# Altium PCB TH8_Cryo_TC_Breakouts.PCBDOC (part 2 of 2)
Units mm, origin at the board's own origin, x right, y up, seen from the top; angles counter-clockwise.
Board outline 86.92 x 73.51 mm, 4 copper layers (TOP, G1, L2, BOT), stack 1.55 mm thick; 129 components, 120 nets, 618 pads, 94 vias.
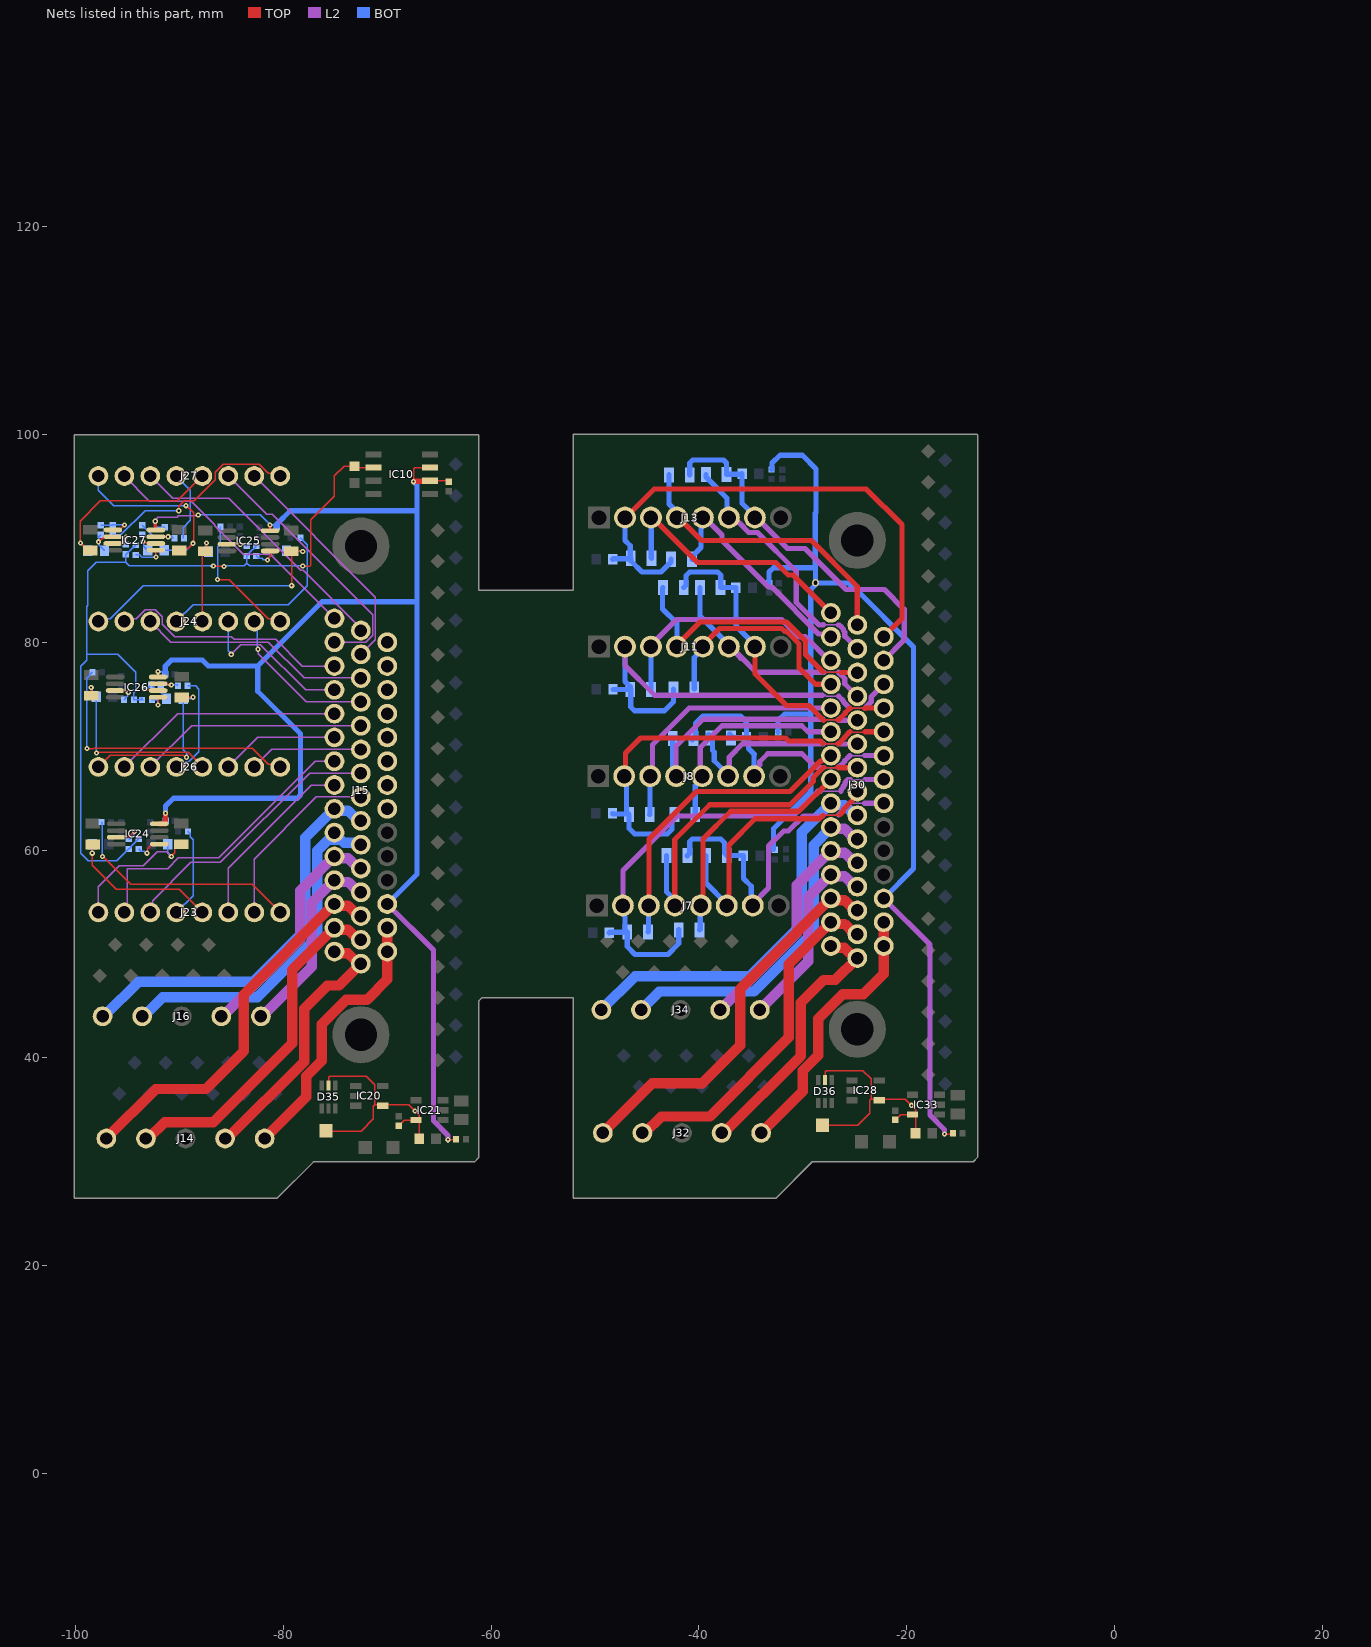
[diagram p4: the nets of this part, all layers, seen from the top]

## Via types
v1: diameter 0.5, hole 0.2, TOP to BOT, tented both sides, 89 vias
v2: diameter 0.7, hole 0.4, TOP to BOT, tented both sides, 5 vias

## Nets (pads, with @x,y where several pads share a name; then routed paths per layer and width w, separated by ;. In a path a pad name is that pad's centre, name@x,y a point inside that pad or via, vN(x,y) a via of type N, cw(c..) or ccw(c..) an arc to the next point about the centre after c; other vN are vias at no path point) (continued)
NetC150_1: C150.1 IC27.2 R207.2 | length 3.5
  TOP w0.127: v1(-97.786,89.666) -97.475,89.977 -97.357,89.977 -97.177,90.157 IC27.2@-96.415,90.157
  BOT w0.127: C150.1@-97.565,90.357 -97.786,90.135 v1(-97.786,89.666) -97.715,89.594 -97.715,89.345 -97.219,88.848 R207.2@-97.219,88.798
NetC150_2: C150.2 IC27.1 R203.1 | length 3.6
  TOP w0.127: IC27.1@-96.415,90.807 -95.76,90.807 -95.3,91.267 v1(-95.3,91.288)
  BOT w0.127: C150.2@-97.565,91.257 -96.435,91.257 R203.1@-96.415,91.277 -96.404,91.288 v1(-95.3,91.288)
NetC153_1: C153.1 IC26.6 R214.2 | length 4.3
  TOP w0.127: v1(-93.4,75.444) -93.355,75.399 -92.088,75.399 IC26.6@-92.044,75.354
  BOT w0.127: v1(-93.4,75.444) -93.342,75.501 -93.109,75.501 C153.1@-92.715,75.895 -92.152,75.332 -91.953,75.332 -91.249,74.629 R214.2@-91.249,74.579
NetC153_2: C153.2 IC26.7 R210.1 | length 3
  TOP w0.127: IC26.7@-92.044,76.004 -91.989,75.95 -90.834,75.95 v1(-90.78,75.895)
  BOT w0.127: C153.2@-91.815,75.895 v1(-90.78,75.895) -90.251,75.895 R210.1@-90.15,75.794
NetC154_1: C154.1 IC27.6 R215.2 | length 3.2
  TOP w0.127: -93.299,89.569 -92.327,89.569 IC27.6@-92.265,89.507
  BOT w0.127: C154.1@-93.565,90.357 -93.526,90.319 v1(-93.526,89.695) -93.526,89.594 -93.451,89.519 -93.451,89.243 R215.2@-93.065,88.857 -93.082,88.857 R215.2@-93.344,89.118
NetC154_2: C154.2 IC27.7 R211.1 | length 4.6
  TOP w0.127: IC27.7@-92.265,90.157 v1@-91.161,90.157
  BOT w0.127: C154.2@-93.565,91.257 -92.465,90.157 -91.161,90.157 -90.729,90.157 R211.1@-90.589,90.018
  other v1: -91.086,90.157
NetIC24_3: IC24.3 R184.2 | length 2.9
  TOP w0.127: IC24.3@-96.082,61.224 -94.884,61.224 v1(-94.336,61.773)
  BOT w0.127: R184.2@-94.865,61.044 -94.845,61.044 -94.407,61.483 -94.407,61.701 v1(-94.336,61.773)
NetIC24_5: IC24.5 R192.2 | length 2.7
  TOP w0.127: v1(-93.119,59.697) -93.047,59.769 -93.047,60.134 -92.607,60.574 IC24.5@-91.932,60.574
  BOT w0.127: R192.2@-93.934,60.104 -93.707,59.878 -93.4,59.878 -93.219,59.697 v1(-93.119,59.697)
NetIC25_3: IC25.3 R185.2 | length 2
  TOP w0.127: IC25.3@-85.423,89.438 -84.18,89.438 v1(-84.15,89.408)
  BOT w0.127: v1(-84.15,89.408) -83.68,89.408 R185.2@-83.515,89.243
NetIC25_5: IC25.5 R193.2 | length 2.2
  TOP w0.127: v1(-81.534,87.909) -81.534,88.01 -81.273,88.271 IC25.5@-81.273,88.788
  BOT w0.127: R193.2@-82.601,88.303 -82.374,88.077 -82.031,88.077 -81.915,87.96 -81.585,87.96 v1(-81.534,87.909)
NetIC26_3: IC26.3 R204.2 | length 2.2
  TOP w0.127: IC26.3@-96.194,75.354 -95.166,75.354 -94.971,75.159 v1(-94.92,75.159)
  BOT w0.127: R204.2@-95.335,74.467 -95.335,74.487 -94.991,74.831 -94.991,75.087 v1(-94.92,75.159)
NetIC26_5: IC26.5 R212.2 | length 1.8
  TOP w0.127: IC26.5@-92.126,74.622 IC26.5@-92.044,74.704 ; IC26.5@-92.125,74.622 -92.058,74.555 v1(-92.058,73.962)
  BOT w0.127: R212.2@-92.649,74.444 -92.173,74.444 -92.099,74.37 -92.099,74.003 v1(-92.058,73.962)
NetIC27_3: IC27.3 R205.2 | length 2.3
  TOP w0.127: IC27.3@-96.415,89.507 -95.755,89.507 -95.138,90.124 v1(-95.138,90.14)
  BOT w0.127: R205.2@-95.148,89.408 -95.138,89.419 v1(-95.138,90.14)
NetIC27_5: IC27.5 R213.2 | length 2.7
  TOP w0.127: v1(-92.265,88.217) IC27.5@-92.265,88.857
  BOT w0.127: R213.2@-94.209,88.405 -93.78,88.405 -93.705,88.33 -93.705,88.278 -93.594,88.166 -92.315,88.166 v1(-92.265,88.217)
NetJ23_1: J23.1 R198.1 R200.2 | length 14.1
  TOP w0.127: v1(-90.78,59.39) -90.444,59.726 -90.444,60.146 -90.032,60.557 R200.2@-89.807,60.557
  L2 w0.127: J23.1@-97.8,54 -97.8,56.454 -95.783,58.471 -93.474,58.471 -92.128,59.817 -91.207,59.817 v1(-90.78,59.39)
  BOT w0.127: R198.1@-91.132,60.574 -91.132,59.743 v1(-90.78,59.39)
NetJ23_4: J23.4 R190.2 | length 8.7
  BOT w0.127: J23.4@-90.3,54 -88.683,55.617 -88.683,61.011 -88.953,61.281 -88.953,61.563 R190.2@-89.179,61.789
NetJ23_5: J23.5 R186.1 R188.2 | length 15.4
  TOP w0.127: R188.2@-98.332,60.549 -98.393,60.489 v1(-98.393,59.697) -98.393,58.54 -96.063,56.21 -90.01,56.21 J23.5@-87.8,54
  BOT w0.127: v1(-98.393,59.697) -98.393,60.572 R186.1@-98.391,60.574
NetJ23_8: J23.8 R182.2 | length 22.7
  TOP w0.127: v1(-97.405,59.39) -94.707,56.693 -82.993,56.693 J23.8@-80.3,54
  BOT w0.127: R182.2@-97.522,62.699 -97.431,62.609 -97.431,59.417 v1(-97.405,59.39)
NetJ24_1: J24.1 R199.1 R201.2 | length 26.1
  TOP w0.127: R201.2@-79.248,88.763 R201.2@-79.233,88.748 ; v1(-79.197,85.446) -79.197,88.712 R201.2@-79.233,88.748 ; v1(-78.13,88.748) R201.2@-79.233,88.748
  BOT w0.127: J24.1@-97.8,82 -97.547,82.253 -96.659,82.253 -93.467,85.446 v1(-79.197,85.446) ; R199.1@-79.698,88.788 -79.658,88.748 v1(-78.13,88.748)
NetJ24_4: J24.4 R191.2 | length 18.9
  BOT w0.127: J24.4@-90.3,82 -88.683,83.617 -79.527,83.617 -77.69,85.454 -77.69,88.93 -77.699,88.939 -77.699,89.388 -78.359,90.048 R191.2@-78.359,90.068
NetJ24_5: J24.5 R187.1 R189.2 | length 8.6
  TOP w0.127: J24.5@-87.8,82 -87.8,88.495 R189.2@-87.533,88.763 -87.401,88.894 v1(-87.401,89.547)
  BOT w0.127: v1(-87.401,89.547) -87.401,88.9 R187.1@-87.198,88.697
NetJ24_8: J24.8 R183.2 | length 12.9
  TOP w0.127: v1(-86.335,86.03) -85.217,86.03 -81.44,82.253 -80.553,82.253 J24.8@-80.3,82
  BOT w0.127: v1(-86.335,86.03) -86.301,86.064 -86.301,89.214 -86.067,89.448 R183.2@-86.067,91.113
NetJ26_1: J26.1 R214.1 R216.2 | length 17
  TOP w0.127: J26.1@-97.8,68 -96.659,69.141 -89.612,69.141 -89.407,68.936 v1(-89.306,68.936) ; R216.2@-89.775,74.679 -89.75,74.704 v1(-88.683,74.704)
  BOT w0.127: v1(-89.306,68.936) -89.306,69.311 -89.649,69.654 R214.1@-89.649,74.579 -88.909,74.579 -88.784,74.704 v1(-88.683,74.704)
NetJ26_4: J26.4 R210.2 | length 10
  BOT w0.127: J26.4@-90.3,68 -89.82,68 -89.325,68.495 -89.124,68.495 -88.138,69.481 -88.138,75.495 -88.437,75.794 R210.2@-89.21,75.794
NetJ26_5: J26.5 R206.1 R208.2 | length 18.1
  TOP w0.127: R208.2@-98.494,74.854 v1(-98.494,75.646) ; v1(-97.968,69.342) -97.915,69.395 -89.142,69.395 -87.8,68.052 J26.5@-87.8,68
  BOT w0.127: v1(-98.494,75.646) -98.494,75.545 -98.393,75.444 -98.393,75.156 R206.1@-98.006,74.769 -98.006,69.457 -97.968,69.418 v1(-97.968,69.342)
NetJ26_8: J26.8 R202.2 | length 26.9
  TOP w0.127: v1(-98.908,69.774) -98.265,69.774 -98.256,69.782 -82.97,69.782 -81.44,68.253 -80.553,68.253 J26.8@-80.3,68
  BOT w0.127: v1(-98.908,69.774) -98.941,69.807 -98.941,76.541 -98.387,77.094 R202.2@-98.387,77.114
NetJ27_1: J27.1 R215.1 R217.2 | length 19.1
  TOP w0.127: R217.2@-90.018,88.832 -89.85,89 -89.202,89 -88.588,89.614 -88.629,89.655 -88.629,92.439 -89.332,93.142 v1(-89.383,93.142)
  BOT w0.127: J27.1@-97.8,96 -97.8,94.625 -96.317,93.142 v1(-89.383,93.142) ; R215.1@-91.465,88.857 -89.345,88.857 v1(-88.683,89.519)
NetJ27_4: J27.4 R211.2 | length 6.8
  BOT w0.127: J27.4@-90.3,96 -88.942,94.642 -88.942,91.728 -89.649,91.021 R211.2@-89.649,90.018
NetJ27_5: J27.5 R207.1 R209.2 | length 18
  TOP w0.127: R209.2@-98.602,88.832 -98.827,88.832 -99.466,89.471 -99.466,89.507 v1(-99.517,89.558) -99.568,89.609 -99.568,91.643 -97.612,93.599 -90.201,93.599 J27.5@-87.8,96
  BOT w0.127: v1(-99.517,89.558) -99.517,89.547 -98.819,88.848 R207.1@-98.819,88.798
NetJ27_8: J27.8 R203.2 | length 20.1
  TOP w0.127: v1(-90.068,92.659) -90.048,92.68 -90.048,93.1 -89.548,93.599 -88.588,93.599 -86.55,95.637 -86.55,96.363 -85.772,97.141 -82.328,97.141 -81.44,96.253 -80.553,96.253 J27.8@-80.3,96
  BOT w0.127: R203.2@-96.415,90.337 -95.628,90.337 -93.305,92.659 v1(-90.068,92.659)
P1V2_REFC: C133.2 IC10.6 R184.1 R185.1 R192.1 R193.1 R204.1 R205.1 R212.1 R213.1 | length 83.7
  TOP w0.127: v1(-86.741,87.351) -86.716,87.325 -85.725,87.325 v1(-85.7,87.3) ; v1(-78.13,87.351) -78.105,87.325 -77.417,87.325 -77.343,87.4 -77.343,91.77 -75.08,94.033 -75.08,96 -74.141,96.939 C133.2@-73.152,96.939 -73.019,96.806 IC10.6@-71.305,96.806
  BOT w0.127: R213.1@-94.209,89.345 -94.435,89.118 -94.479,89.118 -95.128,88.468 R205.1@-95.148,88.468 -95.148,87.68 ; R192.1@-93.934,61.044 -93.954,61.044 -94.619,60.38 -94.619,60.331 -94.845,60.104 R184.1@-94.865,60.104 -94.885,60.104 -96.04,58.95 -98.769,58.95 -99.517,59.697 -99.517,77.71 -98.941,78.287 -98.941,78.838 ; R212.1@-93.746,74.691 -93.523,74.467 R212.1@-93.477,74.467 ; R212.1@-93.589,74.444 -93.612,74.467 R204.1@-94.395,74.467 -94.395,75.161 -94.202,75.354 -94.202,77.094 -95.947,78.838 -98.941,78.838 ; v1(-86.741,87.351) -94.819,87.351 -95.148,87.68 ; v1(-85.7,87.3) -85.649,87.351 -83.775,87.351 -83.515,87.61 ; R193.1@-82.601,89.243 -82.621,89.243 -83.269,88.595 -83.269,88.53 -83.495,88.303 R185.1@-83.515,88.303 -83.515,87.61 ; v1(-78.13,87.351) -83.256,87.351 -83.515,87.61 ; -98.941,78.838 -98.941,83.43 -98.819,83.552 -98.819,86.868 -98.006,87.68 -95.148,87.68
P3V3_AFE: C138.2 C151.2 D36.5 IC28.4 IC33.5 TP15.1 | length 23
  TOP w0.127: TP15.1@-28.121,33.525 -28.096,33.5 -24.742,33.5 -23.548,34.694 -23.548,35.906 -23.431,36.022 ; D36.5@-27.871,37.875 -27.871,38.676 -27.764,38.783 -24.242,38.783 -23.431,37.972 -23.431,36.022 ; C138.2@-21.096,34.025 -20.571,34.55 IC33.5@-19.446,34.55 ; C151.2@-19.146,32.75 -19.146,34.55 -19.146,35.021 v1(-19.558,35.433) -20.16,36.035 -22.561,36.035 IC28.4@-22.671,35.925 -22.768,36.022 -23.431,36.022
P3V3_AFEC: C116.2 C125.2 D35.5 IC20.4 IC21.5 TP14.1 | length 23
  TOP w0.127: TP14.1@-75.901,32.987 -75.875,32.961 -72.522,32.961 -71.327,34.156 -71.327,35.368 -71.211,35.484 ; D35.5@-75.651,37.337 -75.651,38.137 -75.543,38.245 -72.022,38.245 -71.211,37.434 -71.211,35.484 ; C116.2@-68.876,33.487 -68.351,34.012 IC21.5@-67.226,34.012 ; C125.2@-66.926,32.212 -66.926,34.012 -66.926,34.483 v1(-67.338,34.895) -67.94,35.497 -70.34,35.497 IC20.4@-70.451,35.387 -70.548,35.484 -71.211,35.484
P5V0_AFE: J30.33 L10.2 L11.2 L12.2 L13.2 R218.1 | length 117.4
  TOP w0.127: v1(-16.366,32.665) -15.651,32.665 R218.1@-15.566,32.75
  L2 w0.127: v1@-16.387,32.686 v1(-16.366,32.665)
  L2 w0.5: J30.33@-22.22,55.348 -17.78,50.908 -17.78,34.492 -16.366,33.078 v1(-16.366,32.665)
  BOT w0.5: L12.2@-33.249,85.702 -33.249,86.766 -32.842,87.173 -28.804,87.173 -28.778,87.147 v2(-28.778,85.725) ; L13.2@-33.02,96.624 -33.01,96.624 -32.96,96.674 -32.96,97.24 -32.207,97.993 -30.048,97.993 -28.727,96.672 -28.727,92.431 ; L10.2@-32.817,60.071 -32.817,62.052 -29.235,65.634 -29.235,73.101 ; L11.2@-32.385,71.326 -32.385,72.466 -31.75,73.101 -29.235,73.101 ; -28.804,87.147 -28.804,92.431 ; v2@-28.677,85.623 -29.235,85.065 -29.235,73.101 ; v2@-28.6,85.7 -25.629,85.7 -25.07,85.141 -24.946,85.141 -19.355,79.549 -19.355,58.214 J30.33@-22.22,55.348
P5V0_AFEC: C132.1 C134.2 C135.2 C142.2 C143.2 IC10.2 IC10.3 IC24.8 IC25.8 IC26.8 IC27.8 J15.33 R45.1 | length 163.8
  TOP w0.127: IC27.8@-92.328,90.87 IC27.8@-92.265,90.807 ; v1(-92.075,77.165) -92.075,76.686 IC26.8@-92.044,76.654 ; v1(-67.462,95.453) -67.462,96.699 -67.355,96.806 IC10.3@-65.905,96.806 ; IC10.2@-65.905,95.536 -64.153,95.536 C132.1@-64.065,95.448 ; v1(-64.146,32.127) -63.431,32.127 R45.1@-63.346,32.212
  TOP w0.3: IC27.8@-92.328,90.87 v1(-92.328,91.643) ; IC25.8@-81.273,90.738 v1(-81.273,91.288)
  TOP w0.5: IC24.8@-91.932,62.524 -91.356,62.524 -91.331,62.549 v1(-91.331,63.54) ; v1(-67.462,95.453) -67.43,95.486 -65.955,95.486 IC10.2@-65.905,95.536
  L2 w0.127: v1(-92.328,91.643) -92.328,91.744 -92.151,91.921 -92.151,92.05 -90.234,92.05 -90.133,92.151 -88.29,92.151 v1(-88.189,92.253) ; v1@-64.167,32.148 v1(-64.146,32.127)
  L2 w0.5: J15.33@-70,54.81 -65.56,50.37 -65.56,33.953 -64.146,32.54 v1(-64.146,32.127)
  BOT w0.127: v1(-92.328,91.643) -92.256,91.572 -92.256,91.214 -92.126,91.084 C143.2@-91.433,91.084 ; v1(-92.075,77.165) -91.677,77.165 -91.67,77.158 -91.603,77.158 C135.2@-91.357,76.911 ; v1(-88.189,92.253) -82.239,92.253 v1(-81.273,91.288) -80.816,91.288 C134.2@-80.638,91.11
  BOT w0.5: C135.2@-91.357,76.911 -91.357,77.71 -90.78,78.287 -87.8,78.287 -87.223,77.71 -82.462,77.71 ; C142.2@-91.331,62.84 v1(-91.331,63.54) -91.331,64.241 -90.579,64.993 -78.652,64.993 -78.359,65.286 -78.359,71.189 -82.462,75.292 -82.462,77.71 ; C134.2@-80.638,91.11 -80.578,91.17 -80.578,91.423 -79.342,92.659 -67.134,92.659 ; J15.33@-70,54.81 -67.134,57.676 -67.134,83.896 ; v1(-67.462,95.453) -67.134,95.125 -67.134,92.659 ; -82.462,77.71 -76.276,83.896 -67.134,83.896 ; -67.134,83.896 -67.134,92.659
SENSB0_1: J7.6 J30.23 R157.1 | length 26.3
  TOP w0.127: -28.055,63.34 -28.028,63.368 -26.492,63.368 -26.422,63.438
  TOP w0.5: J7.6@-37.323,54.812 -37.123,55.013 -37.123,60.5 -34.614,63.008 -28.387,63.008 -28.055,63.34 ; -26.422,63.438 -26.087,63.773 -26.087,63.93 -24.76,65.257 J30.23@-24.76,65.636
  L2 w0.127: J30.23@-24.76,65.435 J30.23@-24.76,65.636
  BOT w0.5: R157.1@-39.329,59.487 -39.329,56.817 J7.6@-37.323,54.812
SENSB0_2: J7.5 J30.8 R158.1 | length 23.8
  TOP w0.5: J7.5@-39.823,54.812 -39.623,55.013 -39.623,61.056 -36.942,63.737 -30.362,63.737 J30.8@-27.3,66.798
  L2 w0.127: J30.8@-27.569,66.798 J30.8@-27.3,66.798
  BOT w0.5: R158.1@-39.945,52.324 -39.884,52.385 -39.884,54.752 J7.5@-39.823,54.812
SENSB1_1: J7.4 J30.24 R159.1 | length 31.9
  TOP w0.127: -28.039,67.95 -28.028,67.939 -26.564,67.939
  TOP w0.5: J7.4@-42.323,54.812 -42.323,61.004 -38.964,64.364 -31.245,64.364 -29.005,66.603 -29.005,66.983 -28.039,67.95 ; -26.592,67.966 -26.564,67.939 -26.552,67.926 J30.24@-24.76,67.926
  L2 w0.127: J30.24@-24.773,67.939 J30.24@-24.76,67.926
  BOT w0.5: R159.1@-43.123,59.461 -43.123,55.99 -42.323,55.191 J7.4@-42.323,54.812
SENSB1_2: J7.3 J30.9 R160.1 | length 29.8
  TOP w0.5: J7.3@-44.823,54.812 -44.823,61.056 -40.243,65.636 -31.239,65.636 -28.299,68.577 -28.19,68.577 -27.679,69.088 J30.9@-27.3,69.088
  BOT w0.5: R160.1@-44.898,52.121 -44.861,52.158 -44.861,54.775 J7.3@-44.823,54.812
SENSB2_1: J8.6 J30.25 R163.1 | length 21.1
  L2 w0.127: -28.037,70.229 -26.559,70.229 -24.773,70.229 J30.25@-24.76,70.216
  L2 w0.5: J8.6@-37.198,67.263 -37.078,67.383 -37.078,68.963 -35.812,70.229 -28.037,70.229 -28.009,70.256
  L2 w0.508: -26.585,70.256 -26.559,70.229 -26.546,70.216 J30.25@-24.76,70.216
  BOT w0.5: R163.1@-39.065,71.095 -38.688,70.717 -38.688,69.6 -38.532,69.444 -38.532,68.597 J8.6@-37.198,67.263
SENSB2_2: J8.5 J30.10 R164.1 | length 20.3
  L2 w0.5: J8.5@-39.698,67.263 -39.878,67.443 -39.878,69.875 -37.793,71.96 -30.103,71.96 -29.521,71.378 J30.10@-27.3,71.378
  BOT w0.5: R164.1@-40.361,63.424 -40.361,66.221 -39.802,66.78 J8.5@-39.802,67.081
SENSB3_1: J8.4 J30.26 R165.1 | length 24.5
  L2 w0.127: -28.067,72.585 -28.001,72.519 -26.559,72.519
  L2 w0.5: J8.4@-42.198,67.263 -42.198,69.994 -39.605,72.587 -29.843,72.587 -29.841,72.585 -28.067,72.585
  L2 w0.508: -26.585,72.546 -26.559,72.519 -26.546,72.506 J30.26@-24.76,72.506
  BOT w0.5: R165.1@-42.529,70.739 -42.529,67.973 -42.272,67.716 J8.4@-42.189,67.716
SENSB3_2: J8.3 J30.11 R167.1 | length 25.6
  L2 w0.5: J8.3@-44.698,67.263 -44.475,67.485 -44.475,70.129 -40.937,73.668 J30.11@-27.348,73.668 ; J30.11@-27.3,73.668 J30.11@-27.348,73.668 ; J30.11@-27.229,73.787 J30.11@-27.348,73.668
  BOT w0.5: R167.1@-44.736,63.424 -44.717,63.443 -44.717,67.246 J8.3@-44.704,67.259
SENSB4_1: J11.6 J30.27 R168.1 | length 23.1
  L2 w0.127: -28.001,77.103 -26.563,77.103
  L2 w0.5: J11.6@-37.123,79.732 -37.123,79.611 -35.981,78.47
  L2 w0.508: J11.6@-37.123,79.732 -35.921,78.53 -34.494,77.103 -28.001,77.103 ; -26.563,77.103 -25.969,76.51 -25.969,76.008 -24.76,74.799 J30.27@-24.76,74.796
  BOT w0.5: R168.1@-39.913,85.268 -39.913,82.522 J11.6@-37.123,79.732
SENSB4_2: J11.5 J30.12 R169.1 | length 21.1
  TOP w0.5: J11.5@-39.623,79.732 -38.024,81.331 -32.041,81.331 -31.769,81.059 -31.573,81.059 -30.362,79.848 -30.362,77.542 -28.778,75.958 J30.12@-27.3,75.958
  BOT w0.5: R169.1@-40.453,75.489 -40.453,78.523 -39.623,79.353 J11.5@-39.623,79.732
SENSB5_1: J11.4 J30.28 R171.1 | length 28.8
  TOP w0.127: -28.073,77.144 -28.028,77.099 -26.335,77.099 -24.773,77.099 J30.28@-24.76,77.086
  TOP w0.5: J11.4@-42.123,79.732 -39.897,81.958 -31.585,81.958 -29.735,80.108 -29.735,78.806 -28.073,77.144 ; -26.335,77.086 J30.28@-24.773,77.086
  L2 w0.127: J30.28@-24.773,77.099 J30.28@-24.76,77.086
  BOT w0.5: R171.1@-43.469,85.268 -43.51,85.226 -43.51,83.21 -42.123,81.823 J11.4@-42.123,79.732
SENSB5_2: J11.3 J30.13 R172.1 | length 24.3
  L2 w0.5: J11.3@-44.623,79.732 -42.16,82.194 -32.06,82.194 -30.404,80.538 -29.778,80.538 -27.488,78.248 J30.13@-27.3,78.248
  BOT w0.5: J11.3@-44.623,79.732 -44.616,79.725 -44.616,75.47 R172.1@-44.609,75.463
SENSB6_1: J13.6 J30.29 R176.1 | length 24.6
  L2 w0.127: -28.032,81.683 -28.028,81.679 -26.828,81.679 -26.815,81.666 -26.585,81.666
  L2 w0.5: J13.6@-37.121,92.153 -36.838,92.153 -36.157,91.472 -36.108,91.472 -35.212,90.576 -34.375,90.576 -30.632,86.833 -30.632,83.836 -28.463,81.667 -28.049,81.667 -28.032,81.683
  L2 w0.508: -26.585,81.666 -26.507,81.666 -26.341,81.501 -26.091,81.251 -26.091,81.115 -25.969,80.993 -25.969,80.588 -24.76,79.379 J30.29@-24.76,79.376
  BOT w0.5: R176.1@-39.338,96.139 -39.338,95.889 -37.302,93.853 -37.302,92.334 J13.6@-37.121,92.153
SENSB6_2: J13.5 J30.14 R177.1 | length 22
  L2 w0.5: J13.5@-39.621,92.153 -37.795,90.327 -37.795,89.801 -33.298,85.304 -32.986,85.304 -28.489,80.806 -27.568,80.806 J30.14@-27.3,80.538
  BOT w0.5: R177.1@-40.681,87.986 -40.681,88.236 -39.802,89.115 -39.802,91.973 J13.5@-39.621,92.153
SENSB7_1: J13.4 J30.30 R178.1 | length 28.2
  TOP w0.5: J13.4@-42.121,92.153 -39.746,89.778 -29.159,89.778 -24.76,85.379 J30.30@-24.76,81.666
  L2 w0.127: J30.30@-24.773,81.679 J30.30@-24.76,81.666
  BOT w0.5: R178.1@-42.885,96.114 -42.885,93.295 -42.121,92.532 J13.4@-42.121,92.153
SENSB7_2: J13.3 J30.15 R179.1 | length 25.7
  TOP w0.5: J13.3@-44.621,92.153 -40.149,87.681 -32.616,87.681 -31.413,86.477 -30.95,86.477 J30.15@-27.3,82.828
  L2 w0.5: J13.3@-44.621,92.153 J13.3@-44.621,92.532 ; J30.15@-27.348,82.875 J30.15@-27.3,82.828
  BOT w0.5: J13.3@-44.621,92.153 -44.595,92.126 -44.595,88.114 R179.1@-44.568,88.087
SENSC0_1: J15.23 J23.7 | length 17.9
  L2 w0.127: J23.7@-82.8,54 -82.8,59.127 -76.816,65.111 -72.552,65.111 J15.23@-72.54,65.098
SENSC0_2: J15.8 J23.6 | length 17.8
  L2 w0.127: J23.6@-85.3,54 -85.3,58.26 -77.3,66.26 J15.8@-75.08,66.26
SENSC1_1: J15.24 J23.3 | length 26.4
  L2 w0.127: J23.3@-92.8,54 -92.586,54.214 -92.586,55.141 -88.9,58.826 -86.055,58.826 -77.481,67.401 -72.552,67.401 J15.24@-72.54,67.388
SENSC1_2: J15.9 J23.2 | length 28.5
  L2 w0.127: J23.2@-95.3,54 -95.047,54.253 -95.047,58.142 -94.972,58.217 -91.149,58.217 -90.109,59.257 -86.2,59.257 -76.907,68.55 J15.9@-75.08,68.55
SENSC2_1: J15.25 J26.7 | length 11
  L2 w0.127: J26.7@-82.8,68 -81.109,69.691 -72.552,69.691 J15.25@-72.54,69.678
SENSC2_2: J15.10 J26.6 | length 11.4
  L2 w0.127: J26.6@-85.3,68 -82.46,70.84 J15.10@-75.08,70.84
SENSC3_1: J15.26 J26.3 | length 21.9
  L2 w0.127: J26.3@-92.8,68 -88.819,71.981 -72.552,71.981 J15.26@-72.54,71.968
SENSC3_2: J15.11 J26.2 | length 22.3
  L2 w0.127: J26.2@-95.3,68 -90.17,73.13 J15.11@-75.08,73.13
SENSC4_1: J15.27 J24.7 | length 15.1
  L2 w0.127: v1(-82.448,79.324) -82.414,79.29 -82.414,78.884 -77.801,74.271 -72.552,74.271 J15.27@-72.54,74.258
  BOT w0.127: J24.7@-82.8,82 -82.52,81.72 -82.52,79.396 v1(-82.448,79.324)
SENSC4_2: J15.12 J24.6 | length 15.4
  L2 w0.127: v1(-85.013,78.838) -84.087,79.765 -82.203,79.765 -77.858,75.42 J15.12@-75.08,75.42
  BOT w0.127: J24.6@-85.3,82 -85.3,79.174 -85.013,78.888 v1(-85.013,78.838)
SENSC5_1: J15.28 J24.3 | length 22.5
  L2 w0.127: J24.3@-92.8,82 -90.819,80.019 -81.466,80.019 -78.008,76.561 -72.552,76.561 J15.28@-72.54,76.548
SENSC5_2: J15.13 J24.2 | length 23.4
  L2 w0.127: J24.2@-95.3,82 -95.047,82.253 -94.159,82.253 -93.272,83.141 -92.328,83.141 -91.659,82.472 -91.659,81.747 -90.454,80.542 -85.009,80.542 -84.74,80.273 -80.752,80.273 -78.189,77.71 J15.13@-75.08,77.71
SENSC6_1: J15.29 J27.7 | length 22.6
  L2 w0.127: J27.7@-82.8,96 -71.145,84.346 -71.145,80.233 J15.29@-72.54,78.838
SENSC6_2: J15.14 J27.6 | length 25.4
  L2 w0.127: J27.6@-85.3,96 -81.595,92.295 -81.055,92.295 -71.399,82.64 -71.399,80.656 -72.068,79.988 -75.068,79.988 J15.14@-75.08,80
SENSC7_1: J15.30 J27.3 | length 26.6
  L2 w0.127: J27.3@-92.8,96 -90.636,93.836 -85.239,93.836 -78.313,86.91 -78.087,86.91 -72.54,81.363 J15.30@-72.54,81.128
SENSC7_2: J15.15 J27.2 | length 26
  L2 w0.127: J27.2@-95.3,96 -92.882,93.582 -88.849,93.582 -86.591,91.324 -86.591,91.225 -83.842,88.477 -81.267,88.477 J15.15@-75.08,82.29
TECB0+: J30.31 J30.32 J32.5 | length 26.3
  TOP w1: J32.5@-34.017,32.78 -30.002,36.795 -30.002,38.783 -28.521,40.264 -28.521,43.776 -26.159,46.138 -24.168,46.138 -22.22,48.086 J30.31@-22.22,50.768 J30.32@-22.22,53.058
TECB0-: J30.1 J30.16 J32.4 | length 26.1
  TOP w1: J32.4@-37.827,32.78 -37.599,32.78 -30.201,40.178 -30.201,45.288 -27.989,47.5 -26.867,47.5 J30.16@-24.76,49.606 -25.004,49.606 -25.454,50.056 -25.469,50.056 -26.009,50.596 -27.128,50.596 J30.1@-27.3,50.768
TECB1+: J30.2 J30.17 J32.2 | length 33.7
  TOP w1: J32.2@-45.447,32.78 -45.203,32.78 -43.626,34.357 -38.964,34.357 -31.359,41.962 -31.359,49 J30.2@-27.3,53.058 -27.128,52.886 -25.994,52.886 -25.004,51.896 J30.17@-24.76,51.896
TECB1-: J30.3 J30.18 J32.1 | length 37.5
  TOP w1: J32.1@-49.257,32.78 -44.496,37.541 -39.675,37.541 -36.017,41.199 -36.017,46.631 J30.3@-27.3,55.348 -27.128,55.176 -25.994,55.176 -25.004,54.186 J30.18@-24.76,54.186
TECB2+: J30.4 J30.19 J34.5 | length 18.9
  L2 w1: J34.5@-34.148,44.619 -29.48,49.288 -29.48,55.459 J30.4@-27.3,57.638 -27.128,57.466 -25.994,57.466 -25.004,56.476 J30.19@-24.76,56.476
TECB2-: J30.5 J30.20 J34.4 | length 22.7
  L2 w1: J34.4@-37.958,44.619 -30.607,51.971 -30.607,56.622 J30.5@-27.3,59.928 -27.128,59.756 -25.994,59.756 -25.004,58.766 J30.20@-24.76,58.766
TECB3+: J30.6 J30.21 J34.2 | length 33.5
  L2 w1: J30.6@-27.3,62.218 -27.128,62.046 -25.994,62.046 -25.004,61.056 J30.21@-24.76,61.056
  BOT w1: J34.2@-45.578,44.619 -43.812,46.386 -34.729,46.386 -28.972,52.143 -28.972,60.487 -27.3,62.158 J30.6@-27.3,62.218
TECB3-: J30.7 J30.22 J34.1 | length 38.5
  BOT w1: J34.1@-49.388,44.619 -46.154,47.854 -35.103,47.854 -30.099,52.857 -30.099,61.71 J30.7@-27.3,64.508 -27.128,64.336 -25.994,64.336 -25.004,63.346 J30.22@-24.76,63.346
TECC0+: J14.5 J15.31 J15.32 | length 26.3
  TOP w1: J14.5@-81.796,32.242 -77.782,36.257 -77.782,38.245 -76.301,39.726 -76.301,43.238 -73.939,45.6 -71.948,45.6 -70,47.548 J15.31@-70,50.23 J15.32@-70,52.52
TECC0-: J14.4 J15.1 J15.16 | length 26.1
  TOP w1: J14.4@-85.606,32.242 -85.378,32.242 -77.98,39.64 -77.98,44.75 -75.768,46.962 -74.646,46.962 J15.16@-72.54,49.068 -72.784,49.068 -73.234,49.518 -73.249,49.518 -73.788,50.058 -74.908,50.058 J15.1@-75.08,50.23
TECC1+: J14.2 J15.2 J15.17 | length 33.7
  TOP w1: J14.2@-93.226,32.242 -92.983,32.242 -91.406,33.819 -86.744,33.819 -79.138,41.424 -79.138,48.462 J15.2@-75.08,52.52 -74.908,52.348 -73.773,52.348 -72.784,51.358 J15.17@-72.54,51.358
TECC1-: J14.1 J15.3 J15.18 | length 37.5
  TOP w1: J14.1@-97.036,32.242 -92.275,37.003 -87.454,37.003 -83.797,40.661 -83.797,46.093 J15.3@-75.08,54.81 -74.908,54.638 -73.773,54.638 -72.784,53.648 J15.18@-72.54,53.648
TECC2+: J15.4 J15.19 J16.5 | length 18.9
  L2 w1: J16.5@-81.928,44.081 -77.26,48.75 -77.26,54.92 J15.4@-75.08,57.1 -74.908,56.928 -73.773,56.928 -72.784,55.938 J15.19@-72.54,55.938
TECC2-: J15.5 J15.20 J16.4 | length 22.7
  L2 w1: J16.4@-85.738,44.081 -78.387,51.433 -78.387,56.083 J15.5@-75.08,59.39 -74.908,59.218 -73.773,59.218 -72.784,58.228 J15.20@-72.54,58.228
TECC3+: J15.6 J15.21 J16.2 | length 32.9
  BOT w1: J16.2@-93.358,44.081 -91.591,45.848 -82.509,45.848 -76.752,51.605 -76.752,59.949 -75.733,60.967 -74.427,60.967 -74.15,60.69 -72.712,60.69 J15.21@-72.54,60.518
TECC3-: J15.7 J15.22 J16.1 | length 38.5
  BOT w1: J16.1@-97.168,44.081 -93.934,47.315 -82.882,47.315 -77.879,52.319 -77.879,61.171 J15.7@-75.08,63.97 -74.908,63.798 -73.773,63.798 -72.784,62.808 J15.22@-72.54,62.808
Vrefb0+: J7.7 J30.37 R155.1 R157.2 R159.2 | length 32
  L2 w0.127: -28.009,63.362 -26.581,63.362 ; -25.652,64.331 -25.476,64.508 -24.924,64.508 ccw(c-24.76,65.636) -24.597,64.508 -24.052,64.508
  L2 w0.5: J7.7@-34.823,54.812 -33.298,56.338 -33.298,60.376 -31.85,61.824 -31.402,61.824 -29.954,63.271 -28.124,63.271 -28.021,63.374 ; -26.581,63.362 -26.57,63.362 -26.087,63.845 -26.087,63.896 -25.652,64.331 ; -24.052,64.514 -24.046,64.508 -22.649,64.508 J30.37@-22.22,64.508
  BOT w0.5: R159.2@-41.123,59.461 -40.898,59.686 -40.898,60.799 -40.64,61.056 -37.9,61.056 -37.554,60.71 -37.554,59.712 R157.2@-37.329,59.487 -37.316,59.474 -35.738,59.474 R155.1@-35.725,59.461 -35.725,57.267 -34.971,56.512 -34.971,54.959 J7.7@-34.823,54.812
Vrefb0-: J7.2 J30.38 R156.2 R158.2 R160.2 | length 45.9
  L2 w0.127: -28.296,65.653 -26.34,65.653 ; -26.087,66.046 -25.947,66.046 ; -25.449,66.777 -24.811,66.776 -24.81,66.776 cw(c-24.76,65.636) -24.708,66.775 -24.706,66.775 -24.654,66.775 -24.035,66.774 -24.029,66.781 ; J30.38@-22.237,66.774 J30.38@-21.73,66.774
  L2 w0.5: J7.2@-47.323,54.812 -47.323,58.036 -42.088,63.271 -30.942,63.271 -28.56,65.653 -28.296,65.653 ; -26.34,65.653 -26.34,65.793 -26.087,66.046 ; -26.146,66.105 -25.947,66.304 -25.947,66.503 -25.674,66.777 -25.449,66.777 ; -24.029,66.781 -22.237,66.781 J30.38@-22.22,66.798
  BOT w0.5: R156.2@-48.628,52.045 -48.59,52.083 -46.936,52.083 R160.2@-46.898,52.121 ; J7.2@-47.323,54.812 -47.111,54.599 -47.111,52.334 R160.2@-46.898,52.121 ; R158.2@-41.945,52.324 -41.945,50.994 -42.977,49.962 -46.155,49.962 -46.898,50.705 R160.2@-46.898,52.121
Vrefb1+: J8.7 J30.39 R161.1 R163.2 R165.2 | length 29.1
  L2 w0.127: -28.001,67.939 -26.837,67.939 -26.81,67.966 -26.585,67.966 ; -25.449,69.088 -25.428,69.067 -24.052,69.067
  L2 w0.5: -24.052,69.088 J30.39@-22.22,69.088
  L2 w0.508: J8.7@-34.698,67.263 -34.698,67.64 -34.148,68.189 -34.148,68.5 -33.383,69.266 -30.081,69.266 -28.754,67.939 -28.001,67.939 ; -26.585,67.966 -26.563,67.943 -25.969,68.537 -25.969,68.601 -25.607,68.963 ; -25.606,68.963 -25.481,69.088
  BOT w0.5: R165.2@-40.64,70.612 -40.335,70.917 -40.335,72.187 -39.624,72.898 -35.992,72.898 -35.42,72.326 R161.1@-35.42,70.841 ; R163.2@-37.033,71.171 -37.033,71.148 -36.688,70.802 -35.458,70.802 R161.1@-35.42,70.841 ; J8.7@-34.698,67.263 -34.698,69.242 ; -34.671,69.215 -34.698,69.242 ; R161.1@-35.42,70.841 -35.22,70.641 -35.22,69.764 -34.698,69.242
Vrefb1-: J8.2 J30.40 R162.2 R164.2 R167.2 | length 41.5
  TOP w0.127: -28.051,70.253 -27.484,70.253 ccw(c-27.3,71.378) -27.117,70.253 -26.585,70.253 ; -25.502,71.357 -24.033,71.357
  TOP w0.5: J8.2@-47.198,67.263 -47.066,67.394 -47.066,69.342 -45.618,70.79 -31.642,70.79 -31.359,70.506 -28.305,70.506 -28.051,70.253 ; -24.033,71.357 -24.012,71.378 J30.40@-22.22,71.378
  TOP w0.508: -26.585,70.253 -26.585,70.211 -25.969,70.827 -25.969,70.89 -25.502,71.357 -25.475,71.384
  BOT w0.5: R162.2@-48.324,63.525 -48.273,63.475 R167.2@-46.787,63.475 ; J8.2@-47.219,67.361 -46.961,67.103 -46.961,63.649 R167.2@-46.787,63.475 ; R164.2@-42.443,63.449 -42.586,63.307 -42.586,62.012 -43.053,61.544 -46.177,61.544 -46.736,62.103 R167.2@-46.736,63.424 R167.2@-46.787,63.475
Vrefb2+: J11.7 J30.41 R166.1 R168.2 R171.2 | length 31.1
  TOP w0.127: -27.773,72.528 -26.592,72.528 ; -25.36,73.519 -25.224,73.656 -24.024,73.656
  TOP w0.5: J11.7@-34.623,79.732 -34.623,76.964 -31.564,73.906 -29.414,73.906 -28.009,72.5 ; -26.592,72.528 -26.564,72.528 -25.92,73.172 -25.92,73.224 -25.469,73.674 -25.469,73.628 ; -24.052,73.628 -24.024,73.656 -24.012,73.668 J30.41@-22.22,73.668
  BOT w0.5: R171.2@-41.469,85.268 -41.244,85.493 -41.244,86.407 -40.885,86.766 -38.206,86.766 -37.913,86.474 R168.2@-37.913,85.268 -37.9,85.255 -36.462,85.255 R166.1@-36.449,85.242 -36.449,81.558 J11.7@-34.623,79.732
Vrefb2-: J11.2 J30.42 R169.2 R170.2 R172.2 | length 44
  TOP w0.5: J30.42@-22.22,75.958 J30.42@-22.22,76.337
  L2 w0.127: -28.11,74.891 -27.846,74.891 -27.773,74.818 -26.564,74.818 -26.546,74.799 ; -25.531,73.684 -25.261,73.684 -25.233,73.656 -24.041,73.656 -24.029,73.668
  L2 w0.5: J11.2@-47.123,79.732 -47.123,77.755 -44.259,74.891 -28.11,74.891
  L2 w0.508: -26.546,74.799 -26.091,74.345 -26.091,74.245 -25.531,73.684 ; -24.029,73.668 -24.006,73.668 -23.429,74.245 -23.429,74.746 -22.22,75.955 J30.42@-22.22,75.958
  BOT w0.5: R170.2@-48.273,75.463 R172.2@-46.609,75.463 ; J11.2@-47.123,79.732 -47.123,76.227 -46.609,75.713 R172.2@-46.609,75.463 ; R169.2@-42.453,75.489 -42.453,74.268 -43.315,73.406 -46.203,73.406 -46.568,73.771 -46.568,75.422 R172.2@-46.609,75.463
Vrefb3+: J13.7 J30.43 R176.2 R178.2 R180.1 | length 36.3
  TOP w0.127: J13.7@-34.621,92.153 J13.7@-34.442,92.153 ; J30.43@-22.22,78.248 J30.43@-22.22,78.449
  L2 w0.508: J13.7@-34.621,92.153 -31.495,89.027 -29.794,89.027 -25.836,85.069 -22.153,85.069 -20.253,83.169 -20.253,80.215 J30.43@-22.22,78.248
  BOT w0.5: R178.2@-40.885,96.114 -40.885,97.243 -40.592,97.536 -37.631,97.536 -37.338,97.243 R176.2@-37.338,96.139 -37.3,96.177 -35.89,96.177 R180.1@-35.852,96.215 -35.852,93.384 J13.7@-34.621,92.153
Vrefb3-: J13.2 J30.44 R177.2 R179.2 R181.2 | length 52
  TOP w0.5: J13.2@-47.121,92.153 -46.912,92.153 -44.306,94.759 -23.911,94.759 -20.472,91.321 -20.472,82.286 J30.44@-22.22,80.538
  BOT w0.5: R181.2@-48.298,87.986 -48.247,88.036 -46.618,88.036 R179.2@-46.568,88.087 ; J13.2@-47.121,92.153 -47.121,89.793 -46.609,89.281 -46.609,88.129 R179.2@-46.568,88.087 ; R177.2@-42.681,87.986 -42.681,87.736 -43.651,86.766 -45.497,86.766 -46.568,87.837 R179.2@-46.568,88.087
Vrefc0+: J15.37
Vrefc0-: J15.38
Vrefc1+: J15.39
Vrefc1-: J15.40
Vrefc2+: J15.41
Vrefc2-: J15.42
Vrefc3+: J15.43
Vrefc3-: J15.44
pads on no net: D35.1 D35.3 D36.1 D36.3 IC10.5 IC20.5 IC21.4 IC28.5 IC33.4

## Polygon pours and split planes (outlines as drawn)
GND on G1 (split plane): -52.697,46.316 -60.606,46.316 -60.606,83.076 -60.606,84.49 -52.697,84.49
GND on G1 (split plane): -13.693,86.087 -13.732,86.024 -13.768,85.936 -13.79,85.845 -13.797,85.75 -13.797,44.305 -13.79,44.211 -13.768,44.119 -13.732,44.032 -13.693,43.969 -13.693,30.625 -13.807,30.51 -29.096,30.51 -29.196,30.501 -29.291,30.472 -29.38,30.424 -29.457,30.361 -32.807,27.01 -51.585,27.01 -51.585,43.989 -51.559,44.032 -51.523,44.119 -51.501,44.211 -51.494,44.305 -51.494,85.75 -51.501,85.845 -51.523,85.936 -51.559,86.024 -51.586,86.067 -51.586,99.49 -13.693,99.49
GND on G1 (split plane): -61.717,85.317 -61.744,85.271 -61.781,85.184 -61.803,85.092 -61.81,84.998 -61.81,83.076 -61.81,45.536 -61.803,45.441 -61.781,45.35 -61.744,45.262 -61.704,45.196 -61.704,30.611 -61.818,30.497 -77.107,30.497 -77.206,30.487 -77.302,30.458 -77.39,30.411 -77.468,30.347 -80.818,26.997 -99.596,26.997 -99.596,99.476 -61.717,99.476

## Other copper
G1 (plane layer: these items are gaps in the copper):
  lines w1.2: -61.208,45.536 -61.208,83.076 -61.208,84.998 ; -52.095,44.305 -52.095,85.75 ; -13.195,44.305 -13.195,85.75

## Silkscreen, mask and mechanical layers (free items; w line width, h text height)
TopOverlay:
  drawing of 1238 lines, arcs and shapes, not listed
  text "WUT ISE / CTI 2021" at -41.371,109.15 h1.02
  text "Thermostat 8CH v1.0" at -47.425,105.25 h1.52
  text "GND" at -51.223,97.747 h1
  text "SENS7" at -47.425,97.315 h1.2
  text "SENS6" at -39.936,96.973 h1.2
  text "SENS6" at -76.24,93.219 h1.2 r90
  text "SENS7" at -95.85,92.253 h1.2
  text "GND" at -50.998,85.807 h1
  text "SENS5" at -47.425,84.577 h1.2
  text "SENS4" at -40.012,84.577 h1.2
  text "SENS5" at -94.782,78.384 h1.2
  text "SENS4" at -86.3,76.548 h1.2
  text "GND" at -51.348,73.288 h1
  text "SENS3" at -47.374,71.776 h1.2
  text "SENS2" at -39.962,71.776 h1.2
  text "SENS3" at -95.85,64.1 h1.2
  text "SENS2" at -85.85,62.685 h1.2
  text "GND" at -50.873,60.562 h1
  text "SENS1" at -47.265,59.512 h1.2
  text "SENS0" at -39.853,59.512 h1.2
  text "SENS1" at -95.91,50.23 h1.2
  text "SENS0" at -86.8,50.23 h1.2
  text "TEC3" at -50.643,39.788 h1.52
  text "GND" at -43.277,39.534 h1
  text "TEC2" at -39.116,39.472 h1.52
  text "TEC3" at -98.01,39.303 h1.52
  text "TEC2" at -86.483,38.987 h1.52
  text "TEC1" at -50.157,27.915 h1.52
  text "GND" at -42.922,27.915 h1
  text "TEC0" at -38.704,27.915 h1.52
  text "TEC1" at -97.523,27.43 h1.52
  text "TEC0" at -86.071,27.43 h1.52
BottomOverlay:
  text "WUT ISE 2021" at -20.621,60.475 h1.02 r270
  text "WUT ISE 2021" at -68.196,58.511 h1.02 r270
  text "Thermostat 8CH /  breakout board v1.0" at -19.096,53 h1.52 r270
  text "Thermostat 8CH /  breakout board v1.0" at -66.671,51.036 h1.52 r270
Mechanical1:
  drawing of 315 lines, arcs and shapes, not listed
  text "Layer" at 170.599,74.677 h1.52
  text "Name" at 181.011,74.677 h1.52
  text "Material" at 203.103,74.677 h1.52
  text "Thickness" at 224.941,74.677 h1.52
  text "Constant" at 241.447,74.677 h1.52
  text "Board Layer Stack" at 255.921,74.677 h1.52
  text "TopOverlay" at 181.011,71.629 h1.52
  text "TopSolder" at 181.011,68.581 h1.52
  text "Solder Resist" at 203.103,68.581 h1.52
  text "0,010mm" at 224.941,68.581 h1.52
  text "3.5" at 241.447,68.581 h1.52
  text "1" at 170.599,65.533 h1.52
  text "TOP" at 181.011,65.533 h1.52
  text "0,035mm" at 224.941,65.533 h1.52
  text "Dielectric1" at 181.011,62.485 h1.52
  text "FR-4" at 203.103,62.485 h1.52
  text "0,180mm" at 224.941,62.485 h1.52
  text "4.8" at 241.447,62.485 h1.52
  text "2" at 170.599,59.437 h1.52
  text "G1" at 181.011,59.437 h1.52
  text "CF-004" at 203.103,59.437 h1.52
  text "0,035mm" at 224.941,59.437 h1.52
  text "Dielectric2" at 181.011,56.389 h1.52
  text "Core-042" at 203.103,56.389 h1.52
  text "1,050mm" at 224.941,56.389 h1.52
  text "4.6" at 241.447,56.389 h1.52
  text "3" at 170.599,53.341 h1.52
  text "L2" at 181.011,53.341 h1.52
  text "CF-004" at 203.103,53.341 h1.52
  text "0,035mm" at 224.941,53.341 h1.52
  text "Dielectric3" at 181.011,50.293 h1.52
  text "FR-4" at 203.103,50.293 h1.52
  text "0,180mm" at 224.941,50.293 h1.52
  text "4.8" at 241.447,50.293 h1.52
  text "4" at 170.599,47.245 h1.52
  text "BOT" at 181.011,47.245 h1.52
  text "0,035mm" at 224.941,47.245 h1.52
  text "BottomSolder" at 181.011,44.197 h1.52
  text "Solder Resist" at 203.103,44.197 h1.52
  text "0,010mm" at 224.941,44.197 h1.52
  text "3.5" at 241.447,44.197 h1.52
  text "BottomOverlay" at 181.011,41.149 h1.52
V Cut:
  lines w0.1: -60.65,86.435 -60.65,85.975 ; -60.19,85.975 -60.65,85.975 ; -59.695,86.93 -60.65,85.975 ; -53.63,86.83 -52.675,85.875 ; -53.135,85.875 -52.675,85.875 ; -52.675,86.335 -52.675,85.875 ; -11.425,86.81 -11.425,86.35 ; -10.965,86.35 -11.425,86.35 ; -10.47,87.305 -11.425,86.35 ; -4.405,87.205 -3.45,86.25
  lines w1.2: -61.208,45.573 -61.208,84.998 ; -52.096,45.805 -52.096,84.856 ; -13.195,45.589 -13.195,85.014
  text "V-cut" at -9.75,87.405 h1
  text "V-cut" at -58.975,87.03 h1

## Text inside footprints (layer, text, board x,y; h text height)
J14: TopOverlay "1" at -97.311,36.842 h1; TopOverlay "2" at -93.501,36.842 h1; TopOverlay "3" at -89.691,36.842 h1; TopOverlay "4" at -85.881,36.842 h1; TopOverlay "5" at -82.071,36.842 h1
J15: TopOverlay "15" at -75.74,85.55 h1.2 r270; TopOverlay "31" at -70.64,48.65 h1.2 r270; TopOverlay "44" at -70.54,83.55 h1.2 r270; TopOverlay "30" at -73.14,84.55 h1.2 r270; TopOverlay "1" at -75.74,48.55 h1.2 r270; Mechanical14 "15" at -75.74,85.55 h1.2 r270; Mechanical14 "31" at -70.64,48.65 h1.2 r270; Mechanical14 "44" at -70.54,83.55 h1.2 r270; Mechanical14 "30" at -73.14,84.55 h1.2 r270; Mechanical14 "1" at -75.74,48.55 h1.2 r270; Mechanical8 "PCB Edge" at -62.94,69.05 h1 r270
J16: TopOverlay "1" at -97.675,48.6 h1; TopOverlay "2" at -93.865,48.6 h1; TopOverlay "3" at -90.055,48.6 h1; TopOverlay "4" at -86.245,48.6 h1; TopOverlay "5" at -82.435,48.6 h1
J23: TopOverlay "7" at -83.075,58.6 h1; TopOverlay "5" at -88.075,58.6 h1; TopOverlay "3" at -93.075,58.6 h1; TopOverlay "2" at -95.575,58.6 h1; TopOverlay "1" at -98.075,58.6 h1; TopOverlay "4" at -90.575,58.6 h1; TopOverlay "6" at -85.575,58.6 h1; TopOverlay "8" at -80.575,58.6 h1
J24: TopOverlay "7" at -83.075,86.6 h1; TopOverlay "5" at -88.075,86.6 h1; TopOverlay "3" at -93.075,86.6 h1; TopOverlay "2" at -95.575,86.6 h1; TopOverlay "1" at -98.075,86.6 h1; TopOverlay "4" at -90.575,86.6 h1; TopOverlay "6" at -85.575,86.6 h1; TopOverlay "8" at -80.575,86.6 h1
J26: TopOverlay "7" at -83.075,72.6 h1; TopOverlay "5" at -88.075,72.6 h1; TopOverlay "3" at -93.075,72.6 h1; TopOverlay "2" at -95.575,72.6 h1; TopOverlay "1" at -98.075,72.6 h1; TopOverlay "4" at -90.575,72.6 h1; TopOverlay "6" at -85.575,72.6 h1; TopOverlay "8" at -80.575,72.6 h1
J27: TopOverlay "7" at -83.075,100.6 h1; TopOverlay "5" at -88.075,100.6 h1; TopOverlay "3" at -93.075,100.6 h1; TopOverlay "2" at -95.575,100.6 h1; TopOverlay "1" at -98.075,100.6 h1; TopOverlay "4" at -90.575,100.6 h1; TopOverlay "6" at -85.575,100.6 h1; TopOverlay "8" at -80.575,100.6 h1
J30: TopOverlay "1" at -27.96,49.088 h1.2 r270; TopOverlay "30" at -25.36,85.088 h1.2 r270; TopOverlay "44" at -22.76,84.088 h1.2 r270; TopOverlay "31" at -22.86,49.188 h1.2 r270; TopOverlay "15" at -27.96,86.088 h1.2 r270; Mechanical14 "1" at -27.96,49.088 h1.2 r270; Mechanical14 "30" at -25.36,85.088 h1.2 r270; Mechanical14 "44" at -22.76,84.088 h1.2 r270; Mechanical14 "31" at -22.86,49.188 h1.2 r270; Mechanical14 "15" at -27.96,86.088 h1.2 r270; Mechanical8 "PCB Edge" at -15.16,69.588 h1 r270
J32: TopOverlay "5" at -34.292,37.38 h1; TopOverlay "4" at -38.102,37.38 h1; TopOverlay "3" at -41.912,37.38 h1; TopOverlay "2" at -45.722,37.38 h1; TopOverlay "1" at -49.532,37.38 h1
J34: TopOverlay "5" at -34.423,49.219 h1; TopOverlay "4" at -38.233,49.219 h1; TopOverlay "2" at -45.853,49.219 h1; TopOverlay "1" at -49.663,49.219 h1